# KiCad board LTDM_RevC.kicad_pcb (continued)
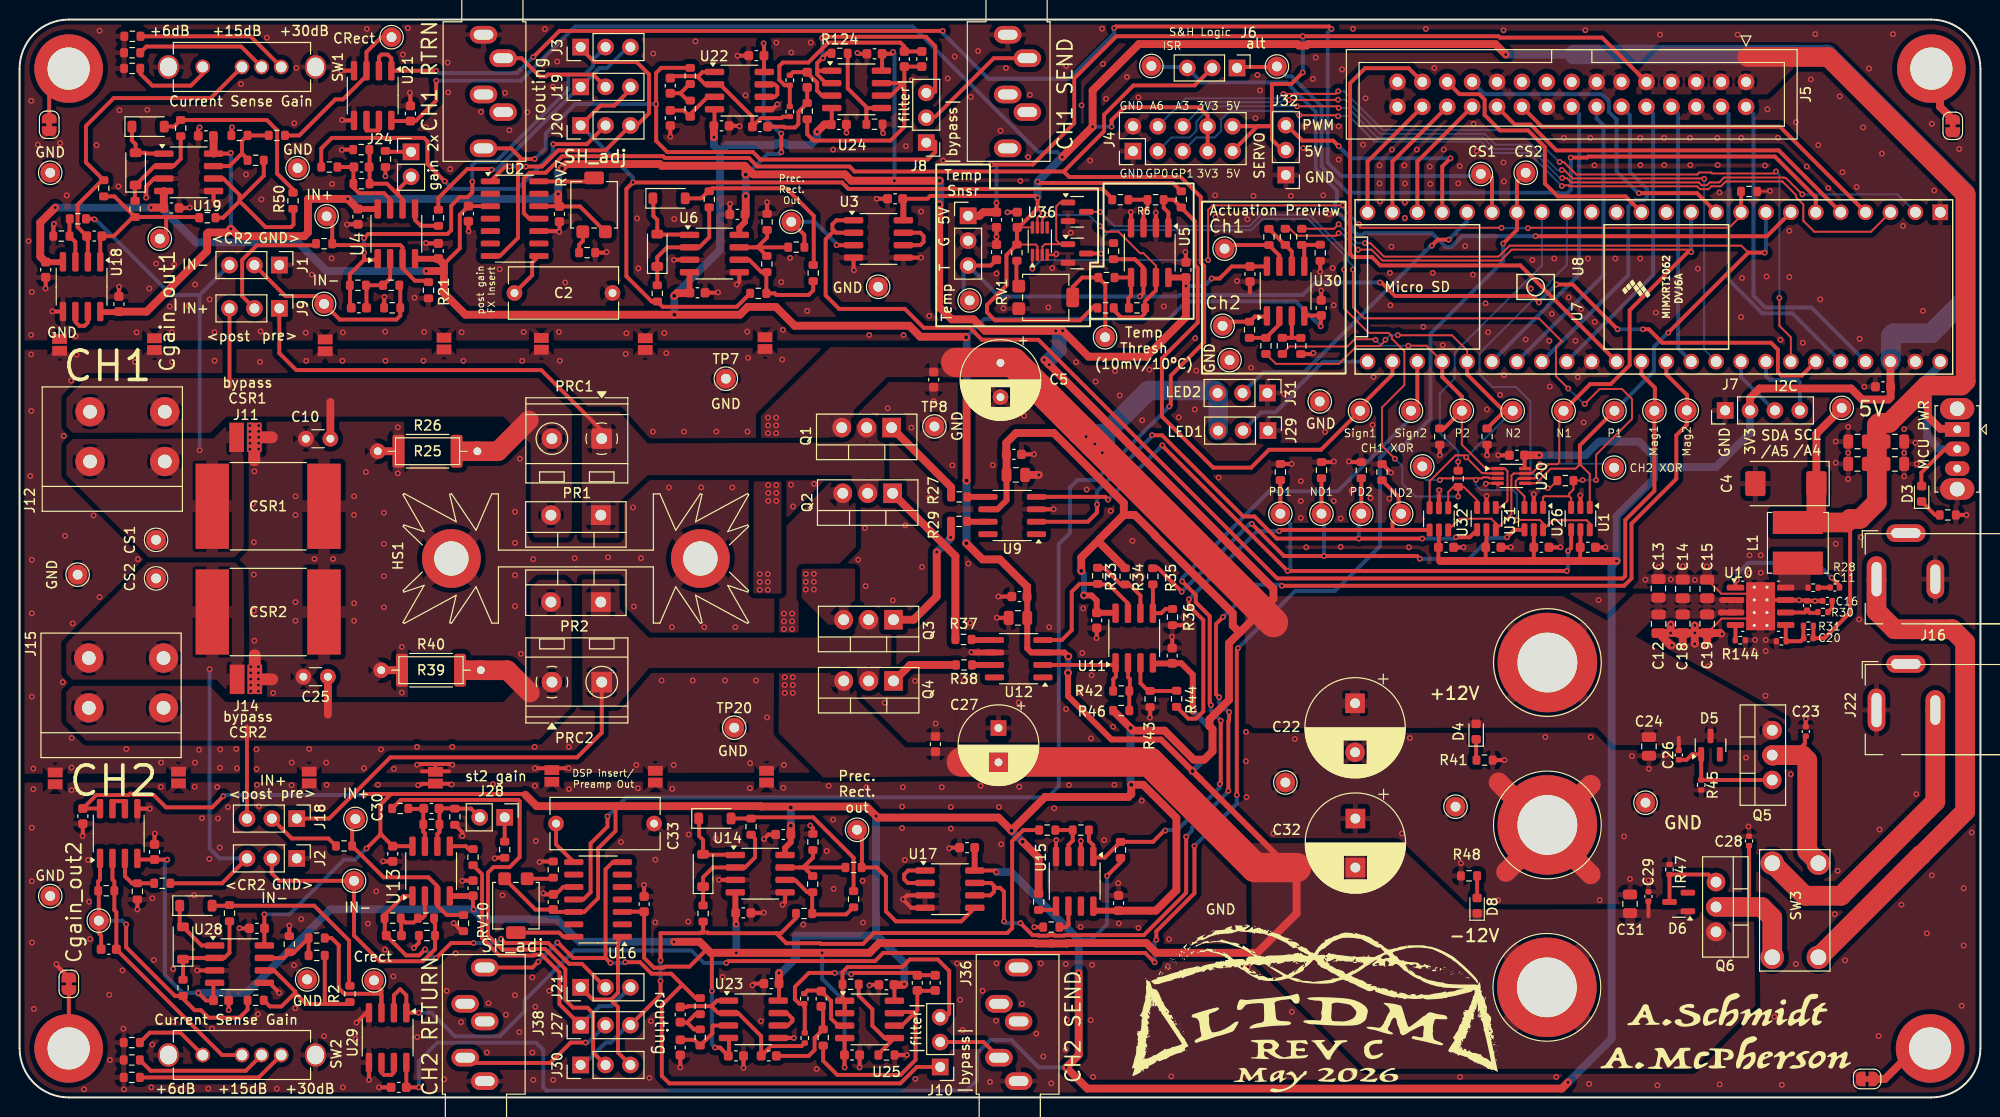
[diagram p0: board, top side]
## Placement (name value [footprint] x y rotation side) (continued)
TP45  TestPoint  [TestPoint_THTPad_D2.0mm_Drill1.0mm]  110.72 77.58 0 top
TP46  TestPoint  [TestPoint_THTPad_D2.0mm_Drill1.0mm]  96.9 81.34 0 top
TP47  TestPoint  [TestPoint_THTPad_D2.0mm_Drill1.0mm]  122.71 78.75 90 top
TP48  TestPoint  [TestPoint_THTPad_D2.0mm_Drill1.0mm]  122.91 86.62 90 top
TP49  TestPoint  [TestPoint_THTPad_D2.0mm_Drill1.0mm]  123.42 75.24 0 top
U1  74LVC1G11  [SOT-23-6]  159.21 59.08 270 top
U2  LF398_SOIC14  [SOIC-14_3.9x8.7mm_P1.27mm]  50.49 89.69 0 top
U3  OPA2350  [SOP-8_3.76x4.96mm_P1.27mm]  87.61 87.61 0 top
U4  OPA1612AxD  [SOP-8_3.76x4.96mm_P1.27mm]  38.43 88.14 90 top
U5  LM393  [SOP-8_3.76x4.96mm_P1.27mm]  115.27 86.22 270 top
U6  OPA1612AxD  [SOP-8_3.76x4.96mm_P1.27mm]  70.87 86.12 0 top
U7  -  [Teensy4.1A]  166.7 82.72 180 top
U8  -  [Teensy4.1B]  166.7 82.72 180 top
U9  TC4426  [SOIC-8_3.9x4.9mm_P1.27mm]  101.24 59.39 180 top
U10  AP64500SP  [SOIC-8-1EP_3.9x4.9mm_P1.27mm_EP2.95x4.9mm_Mask2.71x3.4mm_ThermalVias]  177.58 50.13 0 top
U11  LM7332  [SOP-8_3.76x4.96mm_P1.27mm]  113.69 46.88 90 top
U12  TC4427xOA  [SOIC-8_3.9x4.9mm_P1.27mm]  101.9 44.77 180 top
U13  OPA1612AxD  [SOP-8_3.76x4.96mm_P1.27mm]  41.97 23.1 90 top
U14  OPA1612AxD  [SOP-8_3.76x4.96mm_P1.27mm]  75.54 22.83 0 top
U15  LM393  [SOP-8_3.76x4.96mm_P1.27mm]  107.62 22.06 270 top
U16  LF398_SOIC14  [SOIC-14_3.9x8.7mm_P1.27mm]  59 20.2 180 top
U17  OPA2350  [SOP-8_3.76x4.96mm_P1.27mm]  94.89 21.25 0 top
U18  OPA1612AxD  [SOP-8_3.76x4.96mm_P1.27mm]  6.32 82.74 270 top
U19  OPA1612AxD  [SOP-8_3.76x4.96mm_P1.27mm]  17.25 94.41 0 top
U20  74AUC2G86  [VSSOP-8_2.3x2mm_P0.5mm]  152.16 63.43 0 top
U21  OPA2350  [SOP-8_3.76x4.96mm_P1.27mm]  36.02 102.25 270 top
U22  OPA1612AxD  [SOP-8_3.76x4.96mm_P1.27mm]  73.42 102.75 0 top
U23  OPA1612AxD  [SOP-8_3.76x4.96mm_P1.27mm]  74.84 7.97 0 top
U24  OPA1612AxD  [SOP-8_3.76x4.96mm_P1.27mm]  85.37 102.88 0 top
U25  OPA1612AxD  [SOP-8_3.76x4.96mm_P1.27mm]  86.69 7.96 0 top
U26  74LVC1G11  [SOT-23-6]  154.45 59.07 270 top
U27  OPA1612AxD  [SOP-8_3.76x4.96mm_P1.27mm]  10.11 26.93 90 top
U28  OPA1612AxD  [SOP-8_3.76x4.96mm_P1.27mm]  22.43 13.6 0 top
U29  OPA2350  [SOP-8_3.76x4.96mm_P1.27mm]  37.54 6.1 270 top
U30  OPA1612AxD  [SOP-8_3.76x4.96mm_P1.27mm]  129.13 82.29 90 top
U31  74LVC1G11  [SOT-23-6]  149.62 59.07 270 top
U32  74LVC1G11  [SOT-23-6]  144.77 59.04 270 top
U36  74LVC2G74  [VSSOP-8_2.3x2mm_P0.5mm]  104.06 87.38 90 top

## Library data of the parts
C1 C3 C11 C16 C17 C20 C30 C34-C40 CU1-CU11 CU13 CU15-CU53 = -: ki_fp_filters: C_*
C2 C33 = -: Description: Polypropalyne Film Capacitor; LCSC: C183540; ki_fp_filters: C_*
C4 = -: Description: Polarized capacitor, US symbol; LCSC: C189619; ki_fp_filters: CP_*
C5 C27 = -: Description: Polarized capacitor; LCSC: C45072; ki_fp_filters: CP_*
C6-C9 = -: rating: 35V; LCSC: C117956; ki_fp_filters: C_*
C10 C25 = -: Description: Unpolarized capacitor, small symbol; ki_fp_filters: C_*
C12-C15 C18 C19 = -: rating: 35V; LCSC: C469541; ki_fp_filters: C_*
C22 C32 = -: Description: Polarized capacitor; LCSC: C2960265; ki_fp_filters: CP_*
C23 C28 = -: rating: 100V; LCSC: C162179; ki_fp_filters: C_*
C24 C31 = -: Datasheet: https://www.murata.com/en-global/products/productdetail.aspx?partno=GRM21BC8YA106ME11%23; Field5: 490-10505-1-ND; Field4: Digikey; Field6: GRM21BC8YA106KE11L; Field7: Murata; Part Description: 10uF 10% or 20% 35V Ceramic Capacitor X6S 0805 (2012 Metric); LCSC: C469541; ki_fp_filters: C_*
C26 C29 = -: Datasheet: https://search.murata.co.jp/Ceramy/image/img/A01X/G101/ENG/GRM155R71C104KA88-01.pdf; Field4: Farnell; Field5: 2611911; Field6: RM EMK105 B7104KV-F; Field7: TAIYO YUDEN EUROPE GMBH; Part Description: 0.1uF 10% 16V Ceramic Capacitor X7R 0402 (1005 Metric); Field8: 110091611; LCSC: C92753; ki_fp_filters: C_*
C41-C46 C48 C49 = -: Description: 1%; LCSC: C3836718; ki_fp_filters: C_*
CSR1 CSR2 = -: Description: Resistor; LCSC: C5127890; ki_fp_filters: R_*
CU12 CU14 = -: LCSC: C24123; ki_fp_filters: C_*
D1 D2 D7 D9 D14-D17 = -: Datasheet: https://www.vishay.com/docs/85748/1n4148w.pdf; LCSC: C5345962; ki_fp_filters: D*SOD?123*
D3 D4 D8 = -: LCSC: C79636; ki_fp_filters: LED* LED_SMD:* LED_THT:*
D5 D6 = -: Datasheet: https://diotec.com/tl_files/diotec/files/pdf/datasheets/bzx84c2v4.pdf; Field4: Digikey; Field5: MMBZ5242BLT3GOSCT-ND; Field7: Onsemi; Part Description: Zener Diode 12V 225mW 5% Surface Mount SOT-23-3 (TO-236); LCSC: C896784; ki_fp_filters: D*SOT?23*ANK*
H1-H4 = -: Description: Mounting Hole with connection; ki_fp_filters: MountingHole*Pad*
HS1 = -: Datasheet: https://uk.rs-online.com/web/p/products/1898094/; Description: Heatsink with electrical connection, 2 pin; ki_fp_filters: Heatsink_*
J1-J3 J6 J8-J10 J18-J21 J23 J27 J29-J32 = -: LCSC: C2914353; ki_fp_filters: Connector*:*_1x??_*
J4 = -: Description: Generic connector, double row, 02x05, odd/even pin numbering scheme (row 1 odd numbers, row 2 even numbers), script generated (kicad-library-utils/schlib/autogen/connector/); LCSC: C376087; ki_fp_filters: Connector*:*_2x??_*
J5 = -: Description: Generic connector, double row, 02x15, odd/even pin numbering scheme (row 1 odd numbers, row 2 even numbers), script generated (kicad-library-utils/schlib/autogen/connector/); LCSC: C358748; ki_fp_filters: Connector*:*_2x??_*
J7 = -: Description: Generic connector, single row, 01x04, script generated; ki_fp_filters: Connector*:*_1x??_*
J11 J14 J24 J28 = -: Description: Generic connector, single row, 01x02, script generated; LCSC: C124375; ki_fp_filters: Connector*:*_1x??_*
J12 J15 = -: LCSC: C35616; ki_fp_filters: TerminalBlock*:*
J13 J17 J25 = -: Description: Generic screw terminal, single row, 01x01, script generated (kicad-library-utils/schlib/autogen/connector/); ki_fp_filters: TerminalBlock*:*
J16 J22 = -: Description: DC Barrel Jack; LCSC: C3096082; ki_fp_filters: BarrelJack*
J35-J38 = -: Datasheet: https://uk.rs-online.com/web/p/jack-plugs-sockets/2596661?gb=s; Description: Audio Jack, 3 Poles (Stereo / TRS), Switched TR Poles (Normalling); LCSC: C4991610; ki_fp_filters: Jack*
JP1 JP2 JP20 JP21 = -: Description: Jumper, 2-pole, small symbol, bridged; ki_fp_filters: Jumper* TestPoint*2Pads* TestPoint*Bridge*
JP3-JP7 JP9 JP10 JP12-JP18 = -: Description: Jumper, 2-pole, small symbol, open; ki_fp_filters: Jumper* TestPoint*2Pads* TestPoint*Bridge*
L1 = -: Description: Inductor; LCSC: C3221229; ki_fp_filters: Choke_* *Coil* Inductor_* L_*
PRC1 PRC2 = -: Description: Generic connector, single row, 01x02, script generated (kicad-library-utils/schlib/autogen/connector/); LCSC: C430601; ki_fp_filters: Connector*:*_1x??_*
PWR_SW1 = -: LCSC: C431547
Q1 Q3 Q5 = -: Datasheet: https://www.onsemi.com/pub/Collateral/FQP27P06-D.PDF; LCSC: C7503194; ki_fp_filters: TO?220*
Q2 Q4 Q6 = -: Datasheet: http://www.irf.com/product-info/datasheets/data/irlz44n.pdf; Description: 47A Id, 55V Vds, 22mOhm Rds Single N-Channel HEXFET Power MOSFET, TO-220AB; LCSC: C22367197; ki_fp_filters: TO?220*
Q15 Q16 = -: Datasheet: http://www.diodes.com/assets/Datasheets/ds30366.pdf; Description: 0.17A Id, 100V Vds, N-Channel MOSFET, SOT-23; LCSC: C78962; ki_fp_filters: SOT?23*
R1 R3 R5-R10 R12 R13 R15-R17 R21-R25 R27 R29 R33-R39 R42-R44 R46 R49 R51 R53-R57 R59 R61-R63 R66 R67 R70 R72-R75 R90-R97 R100 R113-R117 R124-R135 R137-R143 = -: ki_fp_filters: R_*
R2 R50 R103 R104 = -: Description: 0.1%; LCSC: C309660; ki_fp_filters: R_*
R4 R14 R19 R20 R52 R65 R68 R69 R105-R112 = -: Description: 0.1%; LCSC: C861188; ki_fp_filters: R_*
R11 R18 R58 R71 = -: LCSC: C861645; ki_fp_filters: R_*
R26 R40 = -: LCSC: C24920; ki_fp_filters: R_*
R28 = -: Description: Resistor, US symbol; LCSC: C138066; ki_fp_filters: R_*
R30 R32 R136 = -: Description: Resistor, US symbol; tolerance: 1%; ki_fp_filters: R_*
R31 = -: Description: Resistor, US symbol; tolerance: 1%; LCSC: C25752; ki_fp_filters: R_*
R41 R48 = -: LCSC: C309660; ki_fp_filters: R_*
R45 R47 = -: Datasheet: https://fscdn.rohm.com/en/products/databook/datasheet/passive/resistor/chip_resistor/mcr-e.pdf; Field4: Farnell; Field5: 9239367; Field7: Rohm; Field6: MCR01MZPF1202; Part Description: Resistor 12K M1005 1% 63mW; LCSC: C25535; ki_fp_filters: R_*
R60 R76 = -: LCSC: C705869; ki_fp_filters: R_*
R64 R77 = -: Description: 1%; LCSC: C666871; ki_fp_filters: R_*
R98 R101 = -: LCSC: C403059; ki_fp_filters: R_*
R99 R102 = -: LCSC: C861326; ki_fp_filters: R_*
R118-R121 = -: Description: 0.1%; LCSC: C728564; ki_fp_filters: R_*
R122 R123 = -: Description: 0.1%; LCSC: C861870; ki_fp_filters: R_*
R144 = -: Description: Resistor, US symbol; tolerance: 1%; LCSC: C862921; ki_fp_filters: R_*
RV1 RV7 RV10 = -: LCSC: C780221; ki_fp_filters: Potentiometer*
SW1 SW2 = -: Description: Switch, three position, single pole triple throw, 3 position switch, SP3T; LCSC: C390919; ki_fp_filters: SW* SP3T*
SW3 = -: Description: Double Pole Single Throw (DPST) Switch; LCSC: C5272597
TP1-TP3 TP25 TP37 TP38 = -: Description: test point; ki_fp_filters: Pin* Test*
TP4 TP6 TP9-TP17 TP19 TP21 TP24 TP31-TP36 TP39-TP48 = -: Description: test point; LCSC: C238122; ki_fp_filters: Pin* Test*
TP5 TP7 TP8 TP18 TP20 TP22 TP23 TP26-TP30 TP49 = -: Description: test point; LCSC: C238127; ki_fp_filters: Pin* Test*
U1 U26 U31 U32 = -: Datasheet: http://www.ti.com/lit/sg/scyt129e/scyt129e.pdf; Description: Single AND 3-Input Gate, Low-Voltage CMOS; LCSC: C22356918; ki_fp_filters: SOT* SG-*
U2 U16 = -: Datasheet: http://www.ti.com/lit/ds/symlink/lf398-n.pdf; Description: Sample And Hold Unity Gain Follower, SOIC-14; LCSC: C2864267; ki_fp_filters: *SOIC*3.9x8.7mm*P1.27mm*
U3 U17 U21 U29 = -: Description: Low-Power, Dual Operational Amplifiers, DIP-8/SOIC-8/TO-99-8; LCSC: C55904; ki_fp_filters: SOIC*3.9x4.9mm*P1.27mm* DIP*W7.62mm* TO*99* OnSemi*Micro8* TSSOP*3x3mm*P0.65mm* TSSOP*4.4x3mm*P0.65mm* MSOP*3x3mm*P0.65mm* SSOP*3.9x4.9mm*P0.635mm* LFCSP*2x2mm*P0.5mm* *SIP* SOIC*5.3x6.2mm*P1.27mm*
U4 U6 U13 U14 U18 U19 U22-U25 U27 U28 U30 = -: Datasheet: http://www.ti.com/lit/ds/symlink/opa1612.pdf; Description: Dual SoundPlus High Performance, Bipolar-Input Audio Operational Amplifiers, SOIC-8; LCSC: C94590; ki_fp_filters: SOIC*3.9x4.9mm*P1.27mm* DIP*W7.62mm* TO*99* OnSemi*Micro8* TSSOP*3x3mm*P0.65mm* TSSOP*4.4x3mm*P0.65mm* MSOP*3x3mm*P0.65mm* SSOP*3.9x4.9mm*P0.635mm* LFCSP*2x2mm*P0.5mm* *SIP* SOIC*5.3x6.2mm*P1.27mm*
U5 U15 = -: Datasheet: http://www.ti.com/lit/ds/symlink/lm393.pdf; Description: Low-Power, Low-Offset Voltage, Dual Comparators, DIP-8/SOIC-8/TO-99-8; LCSC: C7955; ki_fp_filters: SOIC*3.9x4.9mm*P1.27mm* DIP*W7.62mm* SOP*5.28x5.23mm*P1.27mm* VSSOP*3x3mm*P0.65mm* TSSOP*4.4x3mm*P0.65mm*
U7 U8 = -: LCSC: C41376163
U9 = -: Datasheet: https://ww1.microchip.com/downloads/en/DeviceDoc/20001422G.pdf; Description: 1.5A Dual High-Speed Power MOSFET Drivers, 4.5...18V supply, TTL/CMOS compatible inputs, non-inverting drivers, SOIC-8; LCSC: C148047; ki_fp_filters: *SO*3.9*4.*P1.27mm*
U10 = -: LCSC: C2070920
U11 = -: Datasheet: http://www.ti.com/lit/ds/symlink/opa1612.pdf; Description: Dual SoundPlus High Performance, Bipolar-Input Audio Operational Amplifiers, SOIC-8; LCSC: C97826; ki_fp_filters: SOIC*3.9x4.9mm*P1.27mm* DIP*W7.62mm* TO*99* OnSemi*Micro8* TSSOP*3x3mm*P0.65mm* TSSOP*4.4x3mm*P0.65mm* MSOP*3x3mm*P0.65mm* SSOP*3.9x4.9mm*P0.635mm* LFCSP*2x2mm*P0.5mm* *SIP* SOIC*5.3x6.2mm*P1.27mm*
U12 = -: Datasheet: https://ww1.microchip.com/downloads/en/DeviceDoc/20001422G.pdf; Description: 1.5A Dual High-Speed Power MOSFET Drivers, 4.5...18V supply, TTL/CMOS compatible inputs, non-inverting drivers, SOIC-8; LCSC: C636893; ki_fp_filters: *SO*3.9*4.*P1.27mm*
U20 = -: Datasheet: http://www.ti.com/lit/sg/scyt129e/scyt129e.pdf; Description: Dual XOR Gate, Low-Voltage CMOS; LCSC: C2876515; ki_fp_filters: SSOP* VSSOP*
U36 = -: Datasheet: https://www.ti.com/lit/ds/symlink/sn74lvc2g74.pdf?ts=1776715367933&ref_url=https%253A%252F%252Fwww.google.com%252F; Description: 74AUC1G74, Single D Flip-Flop, Low-Voltage CMOS; LCSC: C7851; ki_fp_filters: SSOP* VSSOP*

## Footprints (pads in the part's own frame, mm; a bottom-side part is the same pattern mirrored in y, then rotated)
Banana_Jack_1Pin
  round 10.16 hole 6.1: 1(0,0)
BarrelJack_Wuerth_6941xx301002
  oval 1.8x4.4 hole 1x3.5: 1(6.2,-6.3)
  oval 1.8x4 hole 1x3: 2(0.2,-6.3)
  oval 4x1.8 hole 3x1: 3(3.2,-11)
C_0402_1005Metric
  rrect 0.56x0.62 smd: 1(-0.48,0) 2(0.48,0)
C_0603_1608Metric
  rrect 0.9x0.95 smd: 1(-0.775,0) 2(0.775,0)
C_0805_2012Metric
  rrect 1x1.45 smd: 1(-0.95,0) 2(0.95,0)
C_Disc_D3.0mm_W1.6mm_P2.50mm
  round 1.6 hole 0.8: 1(0,0) 2(2.5,0)
C_Rect_L11.0mm_W5.1mm_P10.00mm_MKT
  round 1.6 hole 0.8: 1(0,0) 2(10,0)
CP_EIA-7343-31_Kemet-D
  rrect 2.075x2.55 smd: 1(-3.112,0) 2(3.112,0)
CP_Radial_D8.0mm_P3.50mm
  rect 1.6x1.6 hole 0.8: 1(0,0)
  round 1.6 hole 0.8: 2(3.5,0)
CP_Radial_D10.0mm_P5.00mm
  rect 2x2 hole 1: 1(0,0) 2(5,0)
CP_Radial_D10.0mm_P5.00mm#2
  rect 2x2 hole 1: 1(0,0)
  round 2 hole 1: 2(5,0)
D_SOD-123
  rrect 0.9x1.2 smd: 1(-1.65,0) 2(1.65,0)
Heatsink_Fischer_SK104-STCB_35x13mm__2xDrill3.5mm_ScrewM3
  round 6 hole 3.5: 1(-12.7,0) 1(12.7,0)
IDC-Header_2x15_P2.54mm_Vertical
  round 1.7 hole 1: 1(0,0) 2(2.54,0) 3(0,-2.54) 4(2.54,-2.54) 5(0,-5.08) 6(2.54,-5.08) 7(0,-7.62) 8(2.54,-7.62) 9(0,-10.16) 10(2.54,-10.16) 11(0,-12.7) 12(2.54,-12.7) 13(0,-15.24) 14(2.54,-15.24) 15(0,-17.78) 16(2.54,-17.78) 17(0,-20.32) 18(2.54,-20.32) 19(0,-22.86) 20(2.54,-22.86) 21(0,-25.4) 22(2.54,-25.4) 23(0,-27.94) 24(2.54,-27.94) 25(0,-30.48) 26(2.54,-30.48) 27(0,-33.02) 28(2.54,-33.02) 29(0,-35.56) 30(2.54,-35.56)
Jack_3.5mm_CUI_SJ1-3535NG_Horizontal
  oval 2.8x1.8 hole 2x1: R(2,-7.9) RN(0,-6.1) S(0,0) T(2,-2.4) TN(0,-11.6)
L_Bourns_SRN6045TA
  rect 2.35x5.1 smd: 1(-2.075,0) 2(2.075,0)
LED_0603_1608Metric
  rrect 0.875x0.95 smd: 1(-0.787,0) 2(0.787,0)
MountingHole_4.3mm_M4_ISO14580_Pad
  round 7 hole 4.3: 1(0,0)
PinHeader_1x02_P2.54mm_Vertical
  rect 1.7x1.7 hole 1: 1(0,0)
  round 1.7 hole 1: 2(0,-2.54)
PinHeader_1x03_P2.54mm_Vertical
  rect 1.7x1.7 hole 1: 1(0,0)
  round 1.7 hole 1: 2(0,-2.54) 3(0,-5.08)
PinHeader_1x03_P2.54mm_Vertical#2
  rect 1.7x1.7 hole 1: 1(0,0)
  oval 1.7x1.7 hole 1: 2(0,-2.54) 3(0,-5.08)
PinHeader_1x04_P2.54mm_Vertical
  rect 1.7x1.7 hole 1: 1(0,0)
  round 1.7 hole 1: 2(0,-2.54) 3(0,-5.08) 4(0,-7.62)
PinHeader_2x02_P2.54mm_Vertical
  round 2.4 hole 1.6: 1(0,0) 2(0,-9.6) 3(4.7,0) 4(4.7,-9.6)
PinHeader_2x05_P2.54mm_Vertical
  rect 1.7x1.7 hole 1: 1(0,0)
  round 1.7 hole 1: 2(2.54,0) 3(0,-2.54) 4(2.54,-2.54) 5(0,-5.08) 6(2.54,-5.08) 7(0,-7.62) 8(2.54,-7.62) 9(0,-10.16) 10(2.54,-10.16)
Potentiometer_Bourns_3314G_Vertical
  rrect 1.3x1.3 smd: 1(-1.15,2.75) 3(1.15,2.75)
  rrect 2x1.3 smd: 2(0,-2.75)
Potentiometer_Bourns_3314G_Vertical#2
  rrect 1.3x1.3 smd: 1(1.15,2.75) 3(-1.15,2.75)
  rrect 2x1.3 smd: 2(0,-2.75)
R_0402_1005Metric
  rrect 0.54x0.64 smd: 1(-0.51,0) 2(0.51,0)
R_0603_1608Metric
  rrect 0.8x0.95 smd: 1(-0.825,0) 2(0.825,0)
R_2512_6332Metric
  rrect 1.225x3.35 smd: 1(-2.962,0) 2(2.962,0)
R_4527
  rect 3.4x8.7 smd: 1(-5.7,0) 2(5.7,0)
R_Axial_DIN0207_L6.3mm_D2.5mm_P10.16mm_Horizontal
  round 1.6 hole 0.8: 1(0,0)
  oval 1.6x1.6 hole 0.8: 2(10.16,0)
SOIC-8-1EP_3.9x4.9mm_P1.27mm_EP2.95x4.9mm_Mask2.71x3.4mm_ThermalVias
  rrect 1.13x1.42 smd: (-0.68,0.85) (-0.68,-0.85) (0.68,0.85) (0.68,-0.85)
  rect 2.71x3.4 smd: (0,0)
  rrect 1.775x0.6 smd: 1(-2.562,1.905) 2(-2.562,0.635) 3(-2.562,-0.635) 4(-2.562,-1.905) 5(2.562,-1.905) 6(2.562,-0.635) 7(2.562,0.635) 8(2.562,1.905)
  round 0.5 hole 0.3: 9(-0.65,1.95) 9(-0.65,0.65) 9(-0.65,-0.65) 9(-0.65,-1.95) 9(0.65,1.95) 9(0.65,0.65) 9(0.65,-0.65) 9(0.65,-1.95)
  rect 1.8x4.4 smd far side: 9(0,0)
  rect 2.95x4.9 smd: 9(0,0)
SOIC-8_3.9x4.9mm_P1.27mm
  rrect 1.95x0.6 smd: 1(-2.475,1.905) 2(-2.475,0.635) 3(-2.475,-0.635) 4(-2.475,-1.905) 5(2.475,-1.905) 6(2.475,-0.635) 7(2.475,0.635) 8(2.475,1.905)
SOIC-14_3.9x8.7mm_P1.27mm
  rrect 1.95x0.6 smd: 1(-2.475,3.81) 2(-2.475,2.54) 3(-2.475,1.27) 4(-2.475,0) 5(-2.475,-1.27) 6(-2.475,-2.54) 7(-2.475,-3.81) 8(2.475,-3.81) 9(2.475,-2.54) 10(2.475,-1.27) 11(2.475,0) 12(2.475,1.27) 13(2.475,2.54) 14(2.475,3.81)
SolderJumper-2_P1.3mm_Bridged_RoundedPad1.0x1.5mm
  custom 1x1.5 smd: 1(-0.65,0) 2(0.65,0)
SolderJumper-2_P1.3mm_Open_Pad1.0x1.5mm
  rect 1.5x3 smd: 1(-0.9,0) 2(0.9,0)
SolderJumper-2_subtle
  rect 1x1.5 smd: 1(-0.6,0) 2(0.6,0)
SOP-8_3.76x4.96mm_P1.27mm
  rrect 1.975x0.65 smd: 1(-2.538,1.905) 2(-2.538,0.635) 3(-2.538,-0.635) 4(-2.538,-1.905) 5(2.538,-1.905) 6(2.538,-0.635) 7(2.538,0.635) 8(2.538,1.905)
SOT-23
  rrect 1.475x0.6 smd: 1(-0.938,0.95) 2(-0.938,-0.95) 3(0.938,0)
SOT-23-6
  rrect 1.325x0.6 smd: 1(-1.137,0.95) 2(-1.137,0) 3(-1.137,-0.95) 4(1.137,-0.95) 5(1.137,0) 6(1.137,0.95)
SW_Slide-SSSS918700
  round 1.5 hole 1.1: 1(-4,0) 2(-2,0) 3(0,0) 4(4,0)
  oval 2.1x2.4 hole 1.7x1.9: MH(-7.5,0) MH(7.5,0)
SW_Slide_1P2T_CK_OS102011MS2Q
  rect 1.5x2.5 hole 0.8: 1(0,0)
  oval 1.5x2.5 hole 0.8: 2(2,0) 3(4,0)
  oval 2.2x3.5 hole 1.5: MH(-2.1,0) MH(6.1,0)
Teensy4.1A
  rect 1.6x1.6 hole 1.1: 1(-29.21,-7.62)
  round 1.6 hole 1.1: 2(-26.67,-7.62) 3(-24.13,-7.62) 4(-21.59,-7.62) 5(-19.05,-7.62) 6(-16.51,-7.62) 7(-13.97,-7.62) 8(-11.43,-7.62) 9(-8.89,-7.62) 10(-6.35,-7.62) 11(-3.81,-7.62) 12(-1.27,-7.62) 13(1.27,-7.62) 14(3.81,-7.62) 15(6.35,-7.62) 16(8.89,-7.62) 17(11.43,-7.62) 18(13.97,-7.62) 19(16.51,-7.62) 20(19.05,-7.62) 21(21.59,-7.62) 22(24.13,-7.62) 23(26.67,-7.62) 24(29.21,-7.62)
Teensy4.1B
  round 1.6 hole 1.1: 25(29.21,7.62) 26(26.67,7.62) 27(24.13,7.62) 28(21.59,7.62) 29(19.05,7.62) 30(16.51,7.62) 31(13.97,7.62) 32(11.43,7.62) 33(8.89,7.62) 34(6.35,7.62) 35(3.81,7.62) 36(1.27,7.62) 37(-1.27,7.62) 38(-3.81,7.62) 39(-6.35,7.62) 40(-8.89,7.62) 41(-11.43,7.62) 42(-13.97,7.62) 43(-16.51,7.62) 44(-19.05,7.62) 45(-21.59,7.62) 46(-24.13,7.62) 47(-26.67,7.62) 48(-29.21,7.62)
TerminalBlock_RND_205-00232_1x02_P5.08mm_Horizontal
  round 2.1 hole 1.1: 1(0,0)
  rect 2.1x2.1 hole 1.1: 2(5.08,0)
TerminalBlock_RND_205-00232_1x02_P5.08mm_Horizontal#2
  rrect 2.1x2.1 hole 1.1: 1(0,0)
  round 2.1 hole 1.1: 2(5.08,0)
TerminalBlock_Spring_2_P5.08mm
  round 3 hole 1.4: 1(0,7.62) 1(0,0) 2(5.08,7.62) 2(5.08,0)
TestPoint_THTPad_D2.0mm_Drill1.0mm
  round 2 hole 1: 1(0,0)
TO-220-2_Vertical
  round 2 hole 1.1: 1(0,0)
  rect 2x2 hole 1.1: 2(5.08,0)
TO-220-2_Vertical#2
  rect 2x2 hole 1.1: 1(0,0)
  round 2 hole 1.1: 2(5.08,0)
TO-220-3_Vertical
  round 1.905 hole 1.1: 1(0,0)
  oval 1.905x2 hole 1.1: 2(2.54,0) 3(5.08,0)
TO-220-3_Vertical#2
  rect 1.905x2 hole 1.1: 1(0,0)
  oval 1.905x2 hole 1.1: 2(2.54,0) 3(5.08,0)
VSSOP-8_2.3x2mm_P0.5mm
  rrect 1.25x0.35 smd: 1(-1.4,0.75) 2(-1.4,0.25) 3(-1.4,-0.25) 4(-1.4,-0.75) 5(1.4,-0.75) 6(1.4,-0.25) 7(1.4,0.25) 8(1.4,0.75)

## Nets
+3.3V: CU1.1 CU10.2 CU20.1 CU26.1 CU27.1 CU34.1 CU41.1 CU46.1 CU47.1 CU48.1 CU52.1 J4.7 J4.8 J5.15 J5.17 J5.19 J7.2 R15.2 R67.2 R136.1 R139.2 U1.5 U3.8 U8.46 U17.8 U20.8 U21.8 U26.5 U29.8 U31.5 U32.5 U36.2 U36.7 U36.8
+5V: C4.1 C6.1 C7.1 C8.1 C9.1 C20.1 CU50.1 J4.9 J4.10 J5.1 J5.3 J5.5 J5.7 J5.9 J23.1 J32.2 L1.2 PWR_SW1.1 R31.1 TP6.1
+12V: C5.1 C12.1 C13.1 C14.1 C15.1 C18.1 C19.1 C22.1 C24.1 C26.1 CU3.1 CU4.1 CU5.1 CU7.1 CU9.1 CU11.1 CU12.1 CU15.1 CU18.1 CU19.1 CU22.1 CU23.1 CU28.1 CU30.1 CU32.1 CU35.1 CU37.1 CU39.1 CU42.1 CU44.1 CU49.1 D4.2 D5.3 J13.1 J29.3 J31.3 Q1.3 Q3.3 Q5.3 R34.1 R46.1 R66.2 RV7.1 RV10.1 U2.12 U4.8 U5.8 U6.8 U9.6 U10.2 U10.3 U11.8 U13.8 U14.8 U15.8 U16.12 U18.8 U19.8 U22.8 U23.8 U24.8 U25.8 U27.8 U28.8 U30.8
-12V: C27.2 C29.2 C31.2 C32.2 CU2.1 CU6.2 CU8.2 CU13.2 CU14.2 CU16.2 CU17.2 CU21.2 CU24.1 CU25.2 CU29.2 CU31.2 CU33.2 CU36.2 CU38.2 CU40.2 CU43.2 CU45.2 CU53.2 D6.1 D8.1 J25.1 Q2.3 Q4.3 Q6.3 U2.3 U4.4 U6.4 U11.4 U12.3 U13.4 U14.4 U16.3 U18.4 U19.4 U22.4 U23.4 U24.4 U25.4 U27.4 U28.4 U30.4
/VIN: D3.2 PWR_SW1.2 U8.48
/Vin+: C23.1 Q5.2 SW3.3
/Vin-: C28.2 Q6.2 SW3.2
GND: C2.1 C4.2 C5.2 C6.2 C7.2 C8.2 C9.2 C10.2 C12.2 C13.2 C14.2 C15.2 C16.2 C17.2 C18.2 C19.2 C22.2 C23.2 C24.2 C25.2 C27.1 C28.1 C29.1 C31.1 C32.1 C33.1 C39.1 C40.1 CSR1.1 CSR2.1 CU1.2 CU2.2 CU3.2 CU4.2 CU5.2 CU6.1 CU7.2 CU8.1 CU9.2 CU10.1 CU11.2 CU12.2 CU13.1 CU14.1 CU15.2 CU16.1 CU17.1 CU18.2 CU19.2 CU20.2 CU21.1 CU22.2 CU23.2 CU24.2 CU25.1 CU26.2 CU27.2 CU28.2 CU29.1 CU30.2 CU31.1 CU32.2 CU33.1 CU34.2 CU35.2 CU36.1 CU37.2 CU38.1 CU39.2 CU40.1 CU41.2 CU42.2 CU43.1 CU44.2 CU45.1 CU46.2 CU47.2 CU48.2 CU49.2 CU50.2 CU51.2 CU52.2 CU53.1 HS1.1 J1.1 J2.1 J4.1 J4.2 J5.6 J5.11 J5.13 J5.18 J5.21 J5.29 J5.30 J7.1 J11.1 J14.1 J16.2 J17.1 J22.1 J23.2 J29.1 J31.1 J32.1 J35.S J36.S J37.S J38.S JP1.2 JP2.2 JP3.1 JP3.2 JP4.1 JP4.2 JP5.1 JP5.2 JP6.1 JP6.2 JP7.1 JP7.2 JP9.1 JP9.2 JP10.1 JP10.2 JP12.1 JP12.2 JP13.1 JP13.2 JP14.1 JP14.2 JP15.1 JP15.2 JP16.1 JP16.2 JP17.1 JP17.2 JP18.1 JP18.2 JP20.2 JP21.2 PWR_SW1.MH Q15.2 Q16.2 R7.1 R9.1 R13.2 R21.1 R23.1 R24.1 R25.1 R26.1 R32.2 R36.1 R39.1 R40.1 R41.1 R43.1 R45.2 R47.1 R48.2 R57.1 R60.1 R62.2 R64.1 R73.1 R74.2 R75.1 R76.1 R77.1 R92.1 R93.1 R97.1 R98.1 R99.1 R100.1 R101.1 R102.1 R113.1 R114.1 R126.2 R127.2 R128.1 R129.1 R130.1 R131.1 R132.1 R133.1 R134.1 R135.1 R143.1 R144.2 RV1.3 SW1.MH SW2.MH TP5.1 TP7.1 TP8.1 TP18.1 TP20.1 TP21.1 TP22.1 TP23.1 TP26.1 TP27.1 TP28.1 TP29.1 TP30.1 TP49.1 U1.2 U2.10 U3.4 U3.5 U5.2 U5.4 U6.3 U6.5 U7.1 U8.34 U8.47 U9.3 U10.7 U10.9 U12.6 U14.3 U14.5 U15.2 U15.4 U16.10 U17.3 U17.4 U18.5 U19.3 U19.5 U20.4 U21.4 U21.5 U22.5 U23.5 U26.2 U27.5 U28.3 U28.5 U29.4 U29.5 U31.2 U32.2 U36.4
/CH1_XOR: TP39.1 U1.6 U20.3 U26.6
/CH2_XOR: TP40.1 U20.7 U31.6 U32.6
/Preamp+Rectifier1/IN+: J9.2 R11.2
/Preamp+Rectifier1/IN-: J1.2 R18.1 R24.2 TP37.1
/Preamp+Rectifier1/rect_in: J19.3 J20.1 R5.1 R19.1 R20.1
/Preamp+Rectifier1/Rect_Out: R12.2 TP4.1 U3.3
/Preamp+Rectifier1/return: J19.2 J37.T
/Preamp+Rectifier1/SH_in: J3.1 J20.3 U2.1
/Preamp+Rectifier1/SH_out: J8.1 J37.TN R56.2 U2.7
/Preamp+Rectifier1/stage1out: C3.2 J3.2 R17.2 U4.1
/Preamp+Rectifier1/stage2in: J3.3 J19.1 R8.2
/Preamp+Rectifier1/stage2out: J20.2 R1.2
/Preamp+Rectifier2/IN+: J18.2 R58.2
/Preamp+Rectifier2/IN-: J2.2 R71.1 R75.2 TP38.1
/Preamp+Rectifier2/rect_in: J27.3 J30.1 R53.1 R68.1 R69.1
/Preamp+Rectifier2/Rect_Out: R63.2 TP24.1 U17.5
/Preamp+Rectifier2/return: J27.2 J38.T
/Preamp+Rectifier2/SH_in: J21.1 J30.3 U16.1
/Preamp+Rectifier2/SH_out: J10.1 J38.TN R72.2 U16.7
/Preamp+Rectifier2/stage1out: C34.2 J21.2 R70.2 U13.1
/Preamp+Rectifier2/stage2in: J21.3 J27.1 R59.2
/Preamp+Rectifier2/stage2out: J30.2 R49.2
/String_Drivers_GD1/N_IN1: R35.1 R133.2 TP42.1 U26.4
/String_Drivers_GD1/N_IN2: R44.1 R135.2 TP44.1 U32.4
/String_Drivers_GD1/P_IN1: R132.2 TP41.1 U1.4 U9.4
/String_Drivers_GD1/P_IN2: R134.2 TP43.1 U9.2 U31.4
/U4-SW: L1.1 R28.1 U10.8
AnalogRead: J5.8 U8.38
AS0: J5.16 U8.30
AS1: J5.14 U8.31
AS2: J5.12 U8.32
AS3: J5.10 U8.33
CH1_Enable: R141.2 U7.16
CH1_Enable_GATE: Q16.3 R141.1 U1.3 U26.1
CH2_Enable: R140.2 U7.17
CH2_Enable_GATE: Q15.3 R140.1 U31.3 U32.1
CSR1: CSR1.2 J1.3 J11.2 J12.1 R90.2 TP17.1
CSR2: CSR2.2 J2.3 J14.2 J15.2 R91.2 TP19.1
CurrSense1: TP35.1 U7.19 U21.1 U21.2
CurrSense2: TP36.1 U7.18 U29.1 U29.2
DigitalRead: J5.20 U7.4
Drive1_Preview: R142.1 TP48.1 U30.7
Drive2_Preview: R22.1 TP47.1 U30.1
DS0: J5.28 U7.24
DS1: J5.26 U7.23
DS2: J5.24 U7.22
DS3: J5.22 U7.5
FP1: J5.4 U8.44
FP2: J5.2 U8.45
GPIO0: J4.3 U7.2
GPIO1: J4.5 U7.3
GPIO17/A3: J4.6 U8.39
GPIO20/A6: J4.4 U8.42
LED_1: J29.2 U8.25
LED_2: J31.2 U7.20
MagIn1: TP16.1 U3.1 U3.2 U8.36
MagIn2: TP9.1 U8.37 U17.6 U17.7
MOSI: J5.25 U7.13
N_Drive1: R55.2 TP14.1 U7.11 U20.6 U26.3
N_Drive2: R16.2 R131.2 TP13.1 U8.29 U20.2 U32.3
P_Drive1: R61.2 TP15.1 U1.1 U7.8 U20.5
P_Drive2: R10.2 R130.2 TP12.1 U8.28 U20.1 U31.1
post_resistor1: C10.1 J9.3 J12.2 PR1.2 PRC1.2 R25.2 R26.2
post_resistor2: C25.1 J15.1 J18.3 PR2.1 PRC2.1 R39.2 R40.2
pre_resistor1: J9.1 PR1.1 PRC1.1 Q1.2 Q2.2
pre_resistor2: J18.1 PR2.2 PRC2.2 Q3.2 Q4.2
sample: J6.2 U2.11 U16.11
SCK: J5.27 U8.35
sense_alt: J6.1 TP2.1 U7.6
sense_isr: J6.3 TP1.1 U7.7
SERVO: J32.3 U7.21
SignIn1: R6.2 R15.1 TP10.1 U5.1 U8.26
SignIn2: R54.2 R67.1 TP11.1 U8.27 U15.1
Temp_Fault: Q15.1 Q16.1 U36.3
Temp_Out: CU51.1 J23.3 R7.2 TP46.1 U5.6 U8.43
Temp_Reset: R143.2 U7.9 U36.1
Temp_Thresh: R137.1 RV1.2 TP45.1
~{LAT}: J5.23 U7.10
Net-(C1-Pad2): C1.2 R1.1 R3.2 U4.7
Net-(C11-Pad1): C11.1 R28.2
Net-(C16-Pad1): C16.1 R30.2
Net-(C30-Pad2): C30.2 R49.1 R51.2 U13.7
Net-(C35-Pad2): C35.2 R95.2 R105.1 R107.1 TP31.1 U18.1
Net-(C36-Pad2): C36.2 R96.2 R106.1 R108.1 TP32.1 U27.1
Net-(C37-Pad2): C37.2 R56.1 R94.2
Net-(C38-Pad2): C38.2 R72.1 R117.2
Net-(C41-Pad1): C41.1 C48.1 R118.1 R119.2
Net-(C42-Pad1): C42.1 C49.1 R120.1 R121.2
Net-(C43-Pad1): C43.1 C45.2 R122.1
Net-(C44-Pad1): C44.1 C46.2 R123.1
Net-(D1-A): D1.2 R4.2 R103.1
Net-(D1-K): D1.1 D2.2 U6.1
Net-(D2-K): D2.1 R4.1 R19.2 U6.2
Net-(D3-K): D3.1 R23.2
Net-(D4-K): D4.1 R41.2
Net-(D5-A): C26.2 D5.1 Q5.1 R45.1
Net-(D6-K): D6.3 Q6.1 R47.2
Net-(D7-A): D7.2 R52.2 R104.1
Net-(D7-K): D7.1 D9.2 U14.1
Net-(D8-A): D8.2 R48.1
Net-(D9-K): D9.1 R52.1 R68.2 U14.2
Net-(D14-A): D14.2 D16.1 U19.1
Net-(D14-K): D14.1 R105.2 R109.1 U19.2
Net-(D15-A): D15.2 D17.1 U28.1
Net-(D15-K): D15.1 R106.2 R110.1 U28.2
Net-(D16-A): D16.2 R50.1 R109.2
Net-(D17-A): D17.2 R2.1 R110.2
Net-(J7-Pin_3): J7.3 U8.40
Net-(J7-Pin_4): J7.4 U8.41
Net-(J8-Pin_2): J8.2 J35.T
Net-(J8-Pin_3): J8.3 R124.1 U24.1 U24.2
Net-(J10-Pin_2): J10.2 J36.T
Net-(J10-Pin_3): J10.3 R125.1 U25.1 U25.2
Net-(J16-Pad1): J16.1 SW3.4
Net-(J22-Pad2): J22.2 SW3.1
Net-(J24-Pin_1): J24.1 R77.2
Net-(J24-Pin_2): C1.1 J24.2 R3.1 R60.2 U4.6
Net-(J28-Pin_1): J28.1 R64.2
Net-(J28-Pin_2): C30.1 J28.2 R51.1 R76.2 U13.6
Net-(JP1-A): H1.1 JP1.1
Net-(JP2-A): H2.1 JP2.1
Net-(JP20-A): H3.1 JP20.1
Net-(JP21-A): H4.1 JP21.1
Net-(Q1-G): Q1.1 R27.2
Net-(Q2-G): Q2.1 R37.2
Net-(Q3-G): Q3.1 R29.2
Net-(Q4-G): Q4.1 R38.2
Net-(R12-Pad1): R9.2 R12.1 R14.2 U6.7
Net-(R13-Pad1): R13.1 RV7.3
Net-(R57-Pad2): R57.2 R63.1 R65.2 U14.7
Net-(R62-Pad1): R62.1 RV10.3
Net-(R97-Pad2): R97.2 SW1.1
Net-(R98-Pad2): R98.2 SW1.2
Net-(R99-Pad2): R99.2 SW1.4
Net-(R100-Pad2): R100.2 SW2.1
Net-(R101-Pad2): R101.2 SW2.2
Net-(R102-Pad2): R102.2 SW2.4
Net-(R111-Pad2): R111.2 R113.2 R115.1 U19.7
Net-(R112-Pad2): R112.2 R114.2 R116.1 U28.7
Net-(R136-Pad2): R136.2 RV1.1
Net-(U2-Adj): RV7.2 U2.14
Net-(U2-C_{h}): C2.2 U2.8
Net-(U3B--): U3.6 U3.7
Net-(U4A-+): R11.1 R21.2 TP3.1 U4.3
Net-(U4A--): C3.1 R17.1 R18.2 U4.2
Net-(U4B-+): R8.1 U4.5
Net-(U5A-+): R5.2 R6.1 U5.3
Net-(U5B-+): R137.2 R138.1 U5.5
Net-(U6B--): R14.1 R20.2 R103.2 U6.6
Net-(U9-OUT_A): R29.1 U9.7
Net-(U9-OUT_B): R27.1 U9.5
Net-(U10-BST): C11.2 U10.1
Net-(U10-COMP): C17.1 R30.1 U10.6
Net-(U10-FB): C20.2 R31.2 R32.1 U10.5
Net-(U10-SS): R144.1 U10.4
Net-(U11A-+): R43.2 R44.2 U11.3
Net-(U11A--): R42.1 R46.2 U11.2
Net-(U11B-+): R35.2 R36.2 U11.5
Net-(U11B--): R33.1 R34.2 U11.6
Net-(U12-IN_A): R42.2 U11.1 U12.2
Net-(U12-IN_B): R33.2 U11.7 U12.4
Net-(U12-OUT_A): R38.1 U12.7
Net-(U12-OUT_B): R37.1 U12.5
Net-(U13A-+): R58.1 R73.2 TP25.1 U13.3
Net-(U13A--): C34.1 R70.1 R71.2 U13.2
Net-(U13B-+): R59.1 U13.5
Net-(U14B--): R65.1 R69.2 R104.2 U14.6
Net-(U15A-+): R53.2 R54.1 U15.3
Net-(U15B-+): R66.1 U15.5
Net-(U15B--): R74.1 U15.6
Net-(U16-Adj): RV10.2 U16.14
Net-(U16-C_{h}): C33.2 U16.8
Net-(U17A--): U17.1 U17.2
Net-(U18A-+): R90.1 R92.2 U18.3
Net-(U18A--): C35.1 R95.1 SW1.3 U18.2
Net-(U19B--): R50.2 R107.2 R111.1 U19.6
Net-(U21A-+): R115.2 TP33.1 U21.3
Net-(U22A-+): C39.2 R94.1 U22.3
Net-(U22A--): C37.1 C43.2 R118.2 U22.1 U22.2
Net-(U22B--): U22.6 U22.7
Net-(U23A-+): C40.2 R117.1 U23.3
Net-(U23A--): C38.1 C44.2 R120.2 U23.1 U23.2
Net-(U23B--): U23.6 U23.7
Net-(U24A-+): C45.1 R119.1 U24.3
Net-(U24B-+): R124.2 R126.1 U24.5
Net-(U24B--): C41.2 C48.2 R122.2 U24.6 U24.7
Net-(U25A-+): C46.1 R121.1 U25.3
Net-(U25B-+): R125.2 R127.1 U25.5
Net-(U25B--): C42.2 C49.2 R123.2 U25.6 U25.7
Net-(U27A-+): R91.1 R93.2 U27.3
Net-(U27A--): C36.1 R96.1 SW2.3 U27.2
Net-(U28B--): R2.2 R108.2 R112.1 U28.6
Net-(U29A-+): R116.2 TP34.1 U29.3
Net-(U30A-+): R10.1 R128.2 U30.3
Net-(U30A--): R16.1 R22.2 U30.2
Net-(U30B-+): R61.1 R129.2 U30.5
Net-(U30B--): R55.1 R142.2 U30.6
Net-(U36-~{CLR}): R138.2 R139.1 U5.7 U36.6

Pads without a net: D5 2; D6 2; J16 3; J22 3; J35 R RN TN; J36 R RN TN; J37 R RN; J38 R RN; PWR_SW1 3; U2 2 4 5 6 9 13; U7 12 14 15; U9 1 8; U12 1 8; U15 7; U16 2 4 5 6 9 13; U18 6 7; U21 6 7; U27 6 7; U29 6 7; U36 5

## Via types
v1: diameter 0.6, hole 0.3, Top to Bottom, 1005 vias
v2: diameter 0.8, hole 0.4, Top to Bottom, 23 vias

## Routing (per net, layer and track width the routed paths; a pad name or vN(x,y) marks a point on that pad's centre or on a via; arc(x,y) is an arc through that point)
+3.3V: length 616.6
  Top w0.2: CU52.1 103.3,88.79 U36.8 ; U36.2 103.81,86.87 103.64,87.04 R136.1 ; 103.83,90.71 104.16,90.38 104.16,90.13 103.81,89.78 U36.7
  Top w0.4: CU52.1 101.92,88.79 103.83,90.71 v1(103.83,91.83) 103.66,92.01 92.89,92.01 92.59,91.71 CU1.1 ; CU52.1 101.77,88.78 ; CU52.1 101.72,88.76 R136.1 100.66,85.97 100.66,82.86 98.68,80.88 98.68,80.12 99.49,79.31 108.16,79.31 109.64,80.78 109.74,80.78 R139.2 ; 190.83,72.77 190.84,72.75 CU10.2 ; v1(42.49,103.77) 42.49,101.74 40.4,99.64 CU34.1 37.98,99.64 U21.8 ; R67.2 112.29,23.99 v1(110.92,22.61) ; 144.91,54.76 144.71,54.95 CU48.1 144.77,56.2 U32.5 ; R15.2 117.64,93.33 103.96,93.33 v1(103.83,93.46) ; v1(40.71,1.02) CU41.1 U29.8 ; U1.5 159.21,56.17 CU27.1 159.18,54.77 159.21,54.75 ; v1(99.64,23) 99.48,23.16 U17.8 ; 154.51,54.75 154.45,54.81 CU26.1 U26.5 ; 153.56,64.25 153.5,64.31 CU46.1 ; J4.7 J4.8 121.18,100.19 120.32,101.05 112.7,101.05 111.38,99.73 v1(111.38,99.07) ; 149.54,54.76 CU47.1 149.62,56.22 U31.5
  Top w0.6: CU20.1 97.42,23.17 U17.8 ; U3.8 90.14,91.68 90.11,91.71 CU1.1
  Top w0.8: v1(157.94,1.53) 157.3,0.9 108.91,0.9 v1(106.75,3.06) 108.02,4.33 v1(108.02,12.71) ; v1(106.35,95.97) v1(109.45,99.07) 109.45,102.78 114.17,107.5 130.34,107.5 130.49,107.35 131.28,107.35 131.43,107.5 150.52,107.5 v1(151.59,106.43) ; 149.54,54.76 149.55,54.75 ; 149.55,54.75 144.92,54.75 144.91,54.76 ; 149.55,54.75 v1(162.89,54.75) ; J7.2 176.5,71.38 177.47,72.35 186.81,72.35 187.93,71.23 190.62,71.23 190.84,71.45 CU10.2 ; 190.83,72.77 U8.46 ; CU46.1 v1(155.01,65.54)
  Bottom w0.4: 108.02,16.11 109.34,16.11 110.92,17.69 v1(110.92,22.61) ; v1(42.49,103.77) 51.13,103.77 56.66,109.3 91.09,109.3 103.91,96.48 105.84,96.48 v1(106.35,95.97) ; v1(40.71,1.02) 40.71,3.69 42.62,5.6 52.65,5.6 53.41,4.83 53.41,1.02 53.74,0.7 96.58,0.7 97.66,1.79 97.66,4.53 98.98,5.85 101.17,5.85 103.96,3.06 v1(106.75,3.06) ; v1(109.45,99.07) v1(111.38,99.07)
  Bottom w0.8: 166.7,64.32 166.7,65.41 165.17,66.94 161.11,66.94 159.71,65.54 v1(155.01,65.54) ; 166.7,64.32 166.7,63.13 162.89,59.32 v1(162.89,54.75) 162.38,54.24 162.38,5.98 v1(157.94,1.53) ; 166.7,64.32 173,64.32 176.5,67.83 J7.2 ; 158.57,106.43 v1(151.59,106.43) ; v1(108.02,12.71) 108.02,16.11 101.14,23 v1(99.64,23) ; v1(106.35,95.97) v1(103.83,93.46) v1(103.83,91.83)
  Bottom w2: U8.46 190.83,75.4 190.88,75.45 190.88,77.73 191.13,77.99 194.99,77.99 198.45,81.44 198.45,92.34 184.35,106.43 158.57,106.43
